# KiCad board k30-SBC.kicad_pcb (continued)
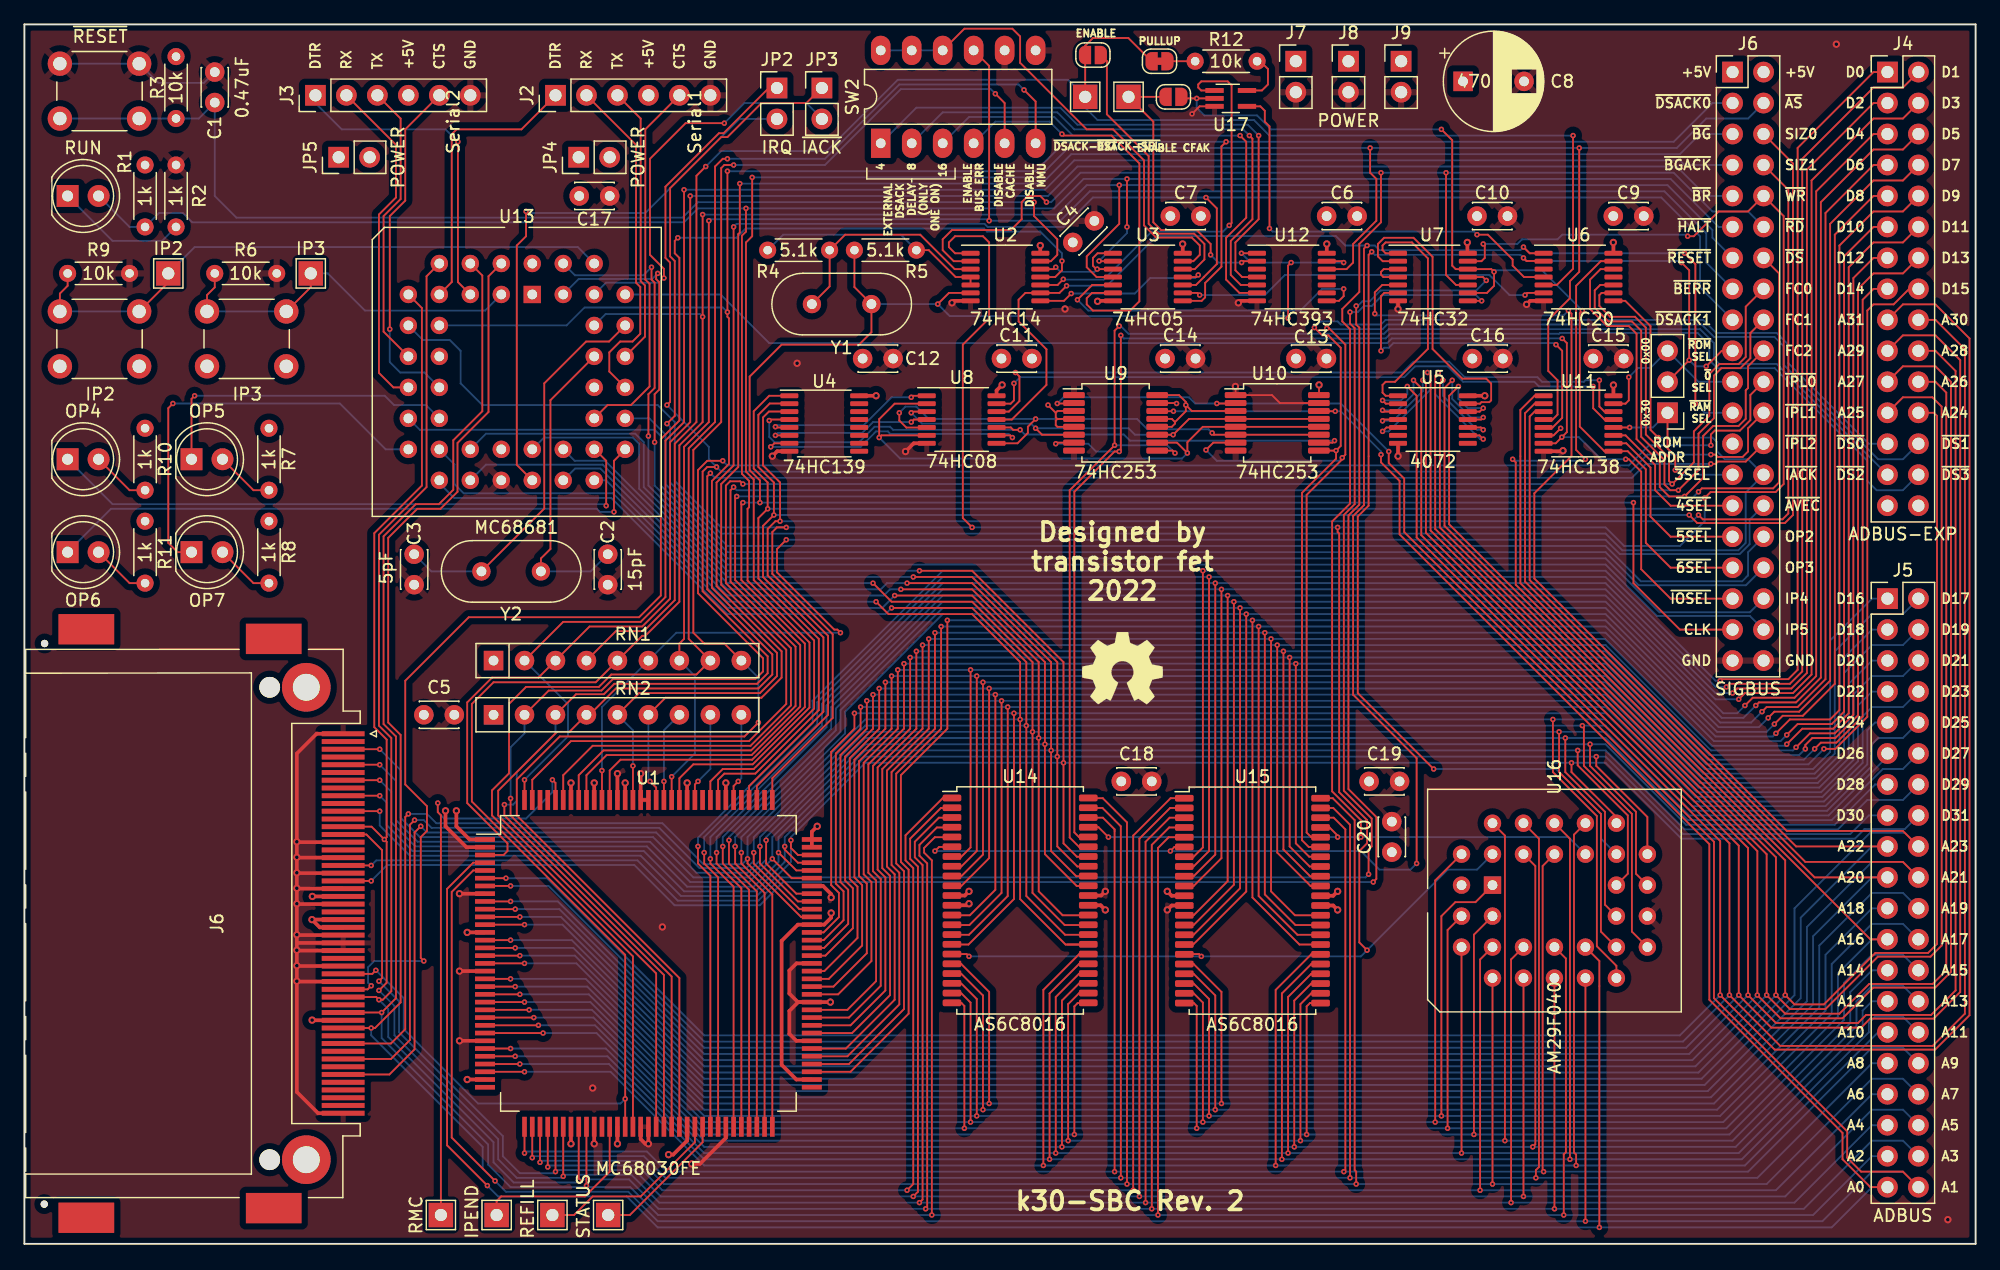
[diagram p0: board, top side]
## Nets (continued)
Net-(U10-Pad10): U4.4 U8.10 U10.10
Net-(U10-Pad11): U8.5 U8.8 U10.6 U10.11
Net-(U10-Pad12): U8.2 U8.6 U9.10 U10.5 U10.12
Net-(U10-Pad13): U8.3 U9.6 U9.11 U10.4 U10.13
Net-(U11-Pad5): U7.6 U11.5
Net-(U11-Pad13): U8.13 U11.13
Net-(U11-Pad14): U8.12 U11.14
Net-(U12-Pad8): U3.5 U12.8
Net-(U17-Pad1): U2.10 U17.1

Pads without a net: J1 24 25 26 27 28 29 30 31 33 37 40 43 45 46 47 48 49; J4 29 30; J6 25; U1 33 44 67 101 104 109 129 130; U4 9 10 11 12 13 14 15; U5 6 8; U6 3 11; U12 3 9 10 11; U13 1 12 23 34

## Via types
v1: diameter 0.6, hole 0.3, Top to Bottom, 70 vias
v2: diameter 0.45, hole 0.2, Top to Bottom, 427 vias

## Routing (per net, layer and track width the routed paths; a pad name or vN(x,y) marks a point on that pad's centre or on a via; arc(x,y) is an arc through that point)
+5V: length 805.4
  Top w0.15: R12.1 101.34,96.98 101.97,96.34 101.97,95.07 101.48,94.58 U17.5 ; v2(95.24,68.78) 95.72,68.3 U10.3 ; v2(95.24,68.78) 95.24,68.28 94.35,67.39 ; v2(95.24,68.78) 95.24,69.04 94.68,69.6 U9.16 ; 94.35,67.39 94.09,67.65 U9.13 ; 94.35,67.39 94.35,67.26 94.09,67 U9.12 ; 94.99,81.98 v1(94.97,81.99) ; v2(83.94,68.78) 84.57,68.15 ; 84.57,68.15 84.72,68.3 U9.3 ; 84.57,68.15 84.57,67.77 84.69,67.65 84.82,67.65 ; v1(106.16,70.44) 106.16,69.62 U10.16 ; 84.82,67.65 U9.4 ; 84.82,67.65 84.71,67.65 84.57,67.52 84.57,67.13 84.71,67 U9.5 ; v2(125.97,66.88) 125.39,66.3 124.58,66.3
  Top w0.3: U15.33 107.32,27.75 v1(107.69,27.38) ; 87.24,27.76 88.25,27.76 v1(88.64,27.38) ; v1(77.46,28.91) 77.11,28.56 U14.11 ; U15.11 94.08,28.55 v1(93.72,28.91) ; J1.44 23.61,18.33 ; J1.13 v1(23.58,26.59) 24.22,25.95 J1.38 ; J1.36 v1(23.61,28.49) ; U3.14 94.99,81.98 ; v1(83.3,81.87) 83.3,81.24 U2.14 ; U1.1 36.5,33.16 35.42,34.24 v1(35.42,35.51) ; U8.14 79.72,69.98 v1(80.17,70.44) ; v1(52.82,7.32) 53.2,7.32 54.34,8.46 U1.55 ; U1.119 v1(49.27,37.8) ; v1(130.29,82.12) 130.3,82.11 130.3,81.23 ; v1(66.16,27.13) 66.16,26.75 65.58,26.17 U1.88 63.42,26.17 62.09,24.84 62.09,14.68 63.3,13.47 U1.68 ; U1.13 v1(36.31,25.54) ; U1.98 U1.99 64.57,33.8 v1(65.01,34.24) ; U1.123 v1(46.72,37.8) ; U1.46 v1(48.63,8.21) ; 130.3,69.55 v1(130.3,70.43) ; U12.14 106.79,81.99 v1(106.8,81.99) ; U4.16 v1(69.84,69.55) ; U1.111 v1(54.34,37.8) ; v1(118.32,82.12) 118.33,82.11 118.33,81.23 ; U1.32 v1(36.31,13.47) ; U5.14 v1(119.75,69.55)
  In1.Cu w0.15: v2(125.97,66.88) 122.42,66.88 v1(119.75,69.55) ; v1(80.17,70.44) 80.68,69.93 82.03,69.93 83.17,68.78 v2(83.94,68.78)
  In1.Cu w0.3: v1(88.64,27.38) 91.05,27.38 92.57,28.91 v1(93.72,28.91) 100.06,28.91 101.59,27.38 v1(107.69,27.38) ; v1(88.64,27.38) 82.41,27.38 80.89,28.91 v1(77.46,28.91) ; v1(88.64,27.38) 89.94,28.69 C18.1 ; 23.61,18.33 v1(23.59,18.35) 23.36,18.58 23.36,26.37 v1(23.58,26.59) 23.36,26.81 23.36,28.24 v1(23.61,28.49) 23.61,38.05 28.94,43.39 C5.1 32.75,41.23 35.42,38.56 v1(35.42,35.51) ; R11.2 11.29,60.66 11.29,65.48 R10.2 9.41,67.36 SW3.2 ; R8.2 21.45,60.66 21.45,65.48 R7.2 21.48,68.3 SW4.2 SW4.2 SW3.2 ; SW3.2 SW3.2 ; C13.1 105.54,73.86 108.83,73.86 110.1,72.59 C16.1 ; C13.1 104.27,72.33 v1(106.16,70.44) ; C13.1 102.6,72.59 101.34,73.86 94.81,73.86 C14.1 92.27,73.86 81.39,73.86 C11.1 ; 108.18,82.88 C6.1 ; C6.1 98.54,84.28 97.14,82.88 95.37,82.88 C7.1 ; C6.1 106.78,82 v1(106.8,81.99) ; 120.13,71.2 127.24,71.2 C15.1 130.3,70.93 v1(130.3,70.43) ; 120.13,71.2 120.13,69.93 v1(119.75,69.55) ; 120.13,71.2 C16.1 ; 120.13,71.2 C16.1 ; v1(118.32,82.12) 118.32,83.05 117.08,84.28 114.25,84.28 112.85,82.88 108.19,82.88 ; R3.1 12.44,95.58 11.04,94.19 11.04,89.61 R1.2 12.05,86.31 22.98,86.31 JP5.1 ; C10.1 120.38,83.01 124.83,83.01 126.1,84.28 C9.1 v1(130.29,82.12) ; C7.1 93.97,83.01 94.97,82 v1(94.97,81.99) ; C7.1 91.82,82.13 83.56,82.13 v1(83.3,81.87) ; v1(35.42,35.51) 35.08,35.16 35.08,30.52 36.31,29.29 v1(36.31,25.54) v1(36.31,13.47) 38.28,11.51 45.33,11.51 v1(48.63,8.21) 49.52,7.32 v1(52.82,7.32) ; v1(35.42,35.51) 38.49,38.58 45.95,38.58 v1(46.72,37.8) v1(49.27,37.8) 50.15,36.91 53.46,36.91 v1(54.34,37.8) 57.9,34.24 v1(65.01,34.24) 65.01,28.27 v1(66.16,27.13) ; 38.49,43.37 RN2.1 ; C11.1 78.85,73.86 70.01,73.86 C12.1 68.74,70.69 ; C11.1 80.17,72.54 v1(80.17,70.44) ; 68.74,70.65 v1(69.84,69.55)
  In1.Cu w1: RN2.1 36.56,45.29 34.66,45.29 C5.1 ; 68.44,95.58 65.65,98.38 42.66,98.38 40.38,96.09 40.38,93.55 42.41,91.52 44.57,91.52 45.45,90.63 JP4.1 ; 68.44,95.58 70.47,95.58 ; 68.44,95.58 83.94,95.58 86.73,98.38 99.68,98.38 R12.1 J7.1 J8.1 J9.1 112.95,96.92 116.38,96.92 C8.1 ; 32.75,48.34 C5.1 ; C5.1 37.2,47.83 RN1.1 ; C10.1 117.97,85.42 C8.1 ; U13.44 42.79,81.53 42.79,86.31 45.45,88.98 JP4.1 ; 25.77,74.98 22.74,71.96 SW4.2 21.58,71.96 26.02,67.52 26.02,55.2 32.75,48.47 ; JP4.1 42.41,89.1 40.5,87.2 27.67,87.2 JP5.1 25.77,75.01 ; JP4.1 45.5,89.06 C17.1 ; C19.1 110.26,33.99 C20.1 112.13,30.3 113.02,29.42 U16.32 ; C19.1 110.26,38.01 107.69,40.59 92.61,40.59 C18.1 ; C19.1 121.02,48.68 121.02,70.31 C16.1 118.73,73.61 121.53,76.41 121.53,81.7 118.95,84.28 ; J6.2 J6.1 130.04,96.09 128.39,97.74 120.38,97.74 C8.1
GND: length 963
  Top w0.15: U10.15 102.95,68.95 102.3,69.6 U10.1 99.32,70.29 v1(99.3,70.31) ; v2(95.75,92.66) 96.37,93.28 U17.3 ; U9.15 94.44,68.95 v2(94.48,68.91)
  Top w0.3: v1(99.55,77.17) 99.71,77.33 101.07,77.33 ; v1(107.69,28.91) 107.32,28.55 U15.34 ; v1(93.72,27.38) 94.08,27.75 U15.12 ; 87.24,28.56 88.29,28.56 v1(88.64,28.91) ; v1(77.46,27.89) 77.33,27.76 76.06,27.76 ; 22.34,21.41 v1(22.34,21.54) v1(22.34,22.81) v1(22.34,24.08) 22.34,25.22 ; 22.34,21.41 22.34,12.45 24.08,10.71 J1.50 ; 22.34,21.41 22.44,21.51 J1.17 ; J1.16 22.44,22.78 ; 22.34,31.57 v1(22.34,31.7) v1(22.34,32.97) 22.34,40.21 23.96,41.83 J1.1 ; 22.34,31.57 v1(22.34,30.43) v1(22.34,29.16) 22.34,29.03 ; 22.34,31.57 22.44,31.67 J1.9 ; 22.34,29.03 v1(22.34,27.89) 22.34,27.76 ; 22.34,29.03 22.44,29.13 J1.11 ; 22.34,27.76 v1(22.34,25.35) 22.34,25.22 ; 22.34,27.76 22.44,27.86 J1.12 ; 22.34,25.22 22.44,25.32 J1.14 ; J1.15 22.37,24.05 ; J1.39 22.38,24.68 ; J1.10 22.37,30.4 ; J1.8 22.37,32.94 ; U1.93 65.48,29.35 66.16,28.68 v1(66.16,28.4) ; U1.73 63.3,16.65 62.73,17.22 62.73,19.1 63.45,19.83 U1.78 ; v1(123.18,77.04) 123.47,77.33 124.58,77.33 ; 73.99,65.65 72.92,65.65 v1(72.25,64.97) ; 89.26,77.33 88.04,77.33 v1(88,77.29) ; v1(61.33,64.59) 61.73,65 U4.8 ; U1.50 v1(51.17,8.21) 50.92,8.21 50.53,8.59 U1.49 ; v1(34.53,35.51) 34.53,34.24 36.25,32.53 U1.2 ; v1(76.06,77.17) 76.23,77.33 77.59,77.33 ; U1.43 v1(46.72,8.21) ; U1.78 v1(66.09,19.83) ; U1.78 63.43,19.83 62.73,20.53 62.73,22.42 63.31,23 U1.83 ; U1.120 v1(48.63,38.56) ; U1.116 U1.117 v1(50.53,38.56) ; 112.64,65.65 v1(112.64,64.59) ; U1.60 57.52,8.69 55.39,6.56 v1(54.73,6.56) ; U1.126 v1(44.82,37.8) ; U11.8 126.12,65 v1(126.16,65.04) ; U1.106 v1(57.52,37.8) ; 112.64,77.33 v1(112.64,76.66) ; U1.40 v1(44.82,8.21) ; U1.18 v1(35.68,22.36) ; U1.27 v1(35.68,16.65) ; U1.8 v1(35.68,28.72)
  In2.Cu w0.15: C14.2 96.04,70.47 v2(94.48,68.91) ; J7.2 102.48,92.66 v2(95.75,92.66)
  In2.Cu w0.3: v1(77.46,27.89) 81.14,27.89 82.16,28.91 v1(88.64,28.91) ; v1(88.64,28.91) 92.44,32.72 C18.2 ; v1(88.64,28.91) 90.54,28.91 92.06,27.38 v1(93.72,27.38) 100.45,27.38 101.97,28.91 v1(107.69,28.91) ; R6.2 19.29,78.18 10.02,78.18 R9.2 8.62,84.66 R2.1 14.09,90.12 14.09,94.57 C1.2 16.5,96.98 33.77,96.98 J3.6 ; 74.03,74.5 72.12,72.59 C12.2 ; 74.03,74.5 74.67,73.86 81.35,73.86 C11.2 85.28,72.59 86.55,73.86 ; 74.03,74.5 76.06,76.53 v1(76.06,77.17) ; 109.59,84.28 108.19,85.68 103.24,85.68 101.84,84.28 C7.2 96.47,84.57 95.24,85.8 89.65,85.8 C4.2 87.32,83.47 87.32,77.98 v1(88,77.29) ; v1(54.73,6.56) 54.73,7.57 54.09,8.21 v1(51.17,8.21) 50.53,8.21 49.65,9.09 47.61,9.09 v1(46.72,8.21) v1(44.82,8.21) 40.69,8.21 35.68,13.22 v1(35.68,16.65) v1(35.68,22.36) v1(35.68,28.72) 34.53,29.86 v1(34.53,35.51) 34.53,42.62 35.25,43.34 C5.2 ; C16.2 119.5,74.33 108.51,74.33 C13.2 105.5,73.86 97.35,73.86 96.08,72.59 ; C16.2 123.52,74.88 123.52,76.7 v1(123.18,77.04) ; C16.2 123.14,70.69 125.21,70.69 126.74,69.17 126.74,65.61 v1(126.16,65.04) 126.1,64.97 ; C16.2 126.23,72.59 127.5,73.86 129.87,73.86 C15.2 ; 96.33,72.59 96.38,72.59 ; C5.2 33.35,45.29 27.42,45.29 22.34,40.21 v1(22.34,32.97) ; C5.2 35.25,39.87 37.63,37.5 44.52,37.5 v1(44.82,37.8) 45.42,38.4 47.01,38.4 47.15,38.26 48.33,38.26 v1(48.63,38.56) v1(50.53,38.56) 51.17,39.19 56.12,39.19 v1(57.52,37.8) 60.06,35.26 65.9,35.26 66.92,34.24 66.92,29.16 v1(66.16,28.4) 66.92,27.64 66.92,20.65 v1(66.09,19.83) ; v1(61.33,64.59) 61.71,64.21 71.49,64.21 v1(72.25,64.97) 75.43,64.97 75.81,64.59 83.43,64.59 83.81,64.97 ; C2.1 45.8,52.02 33.99,52.02 C3.1 ; v1(99.3,70.31) 98.32,70.31 C14.2 94.77,73.86 86.56,73.86 ; C9.2 131.39,85.68 123.01,85.68 C10.2 120.22,85.68 110.68,85.68 C6.2 ; 83.51,71.8 82.71,72.59
  In2.Cu w1: U16.16 135.75,29.54 135.75,44.71 138.87,47.83 J6.39 J6.40 145.28,50.5 145.28,96.34 143.25,98.38 126.02,98.38 C8.2 ; C8.2 120.81,93.17 116.45,93.17 115.18,94.44 J9.2 J8.2 J7.2 100.95,94.44 97.02,98.38 83.43,98.38 SW2.7 SW2.8 80.38,96.6 79.36,95.58 68.44,95.58 66.54,97.49 59.55,97.49 J2.6 ; C8.2 122.97,85.64 C10.2 121.53,84.19 121.53,76.15 121.23,75.86 C16.2 121.02,72.38 121.02,46.18 C19.2 ; J2.6 53.46,96.98 39.36,96.98 J3.6 36.56,93.3 28.56,85.3 28.56,57.45 C3.1 ; J2.6 56.25,93.04 55.11,91.9 53.96,91.9 C17.2 48.03,85.97 ; C19.2 110.1,40.59 95.11,40.59 C18.2 ; C19.2 112.76,35.26 C20.2 ; C5.2 35.17,43.47 35.17,48.08 31.96,51.29 C3.1 ; U13.22 39.11,61.2 C3.1
  Bottom w0.15: SW1.1 SW1.1 10.99,95.2 14.72,95.2 C1.2
  vias: v1(46.6,12.78) v1(52.31,25.99) v1(63.36,72.21) v1(85.33,76.66) v1(148.58,98.38) v1(157.72,1.98)
A0: length 270.2
  Top w0.15: U16.12 129.15,23.19 v2(129.15,1.35) ; v2(107.49,68.28) 106.17,68.28 U10.14 ; v2(111.24,64.72) 111.24,64.09 112.76,62.56 112.76,58.18 138.16,32.78 138.16,20.02 149.09,9.09 149.09,6.94 151.37,4.65 J5.39 ; v2(37.96,4.78) 34.66,8.08 34.66,29.11 36.8,31.25 U1.4 ; U9.14 92.91,68.28 v2(94.22,68.28)
  Bottom w0.15: v2(94.22,68.28) v2(107.49,68.28) 107.94,68.28 111.24,64.97 v2(111.24,64.72) ; J5.39 151.5,4.65 148.2,1.35 51.93,1.35 49.39,3.89 38.85,3.89 v2(37.96,4.78)
A1: length 369.7
  Top w0.15: U16.11 v2(128,1.86) ; J1.20 v2(28.44,17.7) 28.76,17.7 30.85,19.79 30.85,41.73 29.83,42.75 29.83,57.89 32.22,60.28 34.12,60.28 35.52,61.67 35.52,65.68 38.06,68.22 38.06,79.34 U13.2 ; U1.5 36.8,30.62 35.04,28.86 35.04,8.71 v2(38.6,5.16) ; v2(84.7,68.91) 86.03,68.91 U9.2 ; v2(97.78,68.91) 99.28,68.91 U10.2 ; J5.40 154.04,5.92 150.61,5.92 149.47,7.06 149.47,9.22 138.55,20.14 138.55,32.97 113.15,58.37 113.15,62.75 111.88,64.02 v2(111.88,64.97)
  Bottom w0.15: v2(84.7,68.91) 85.21,69.42 95.49,69.42 96,68.91 v2(97.78,68.91) 107.94,68.91 v2(111.88,64.97) ; v2(28.44,17.7) 28.44,17.1 37.58,7.95 37.58,6.17 v2(38.6,5.16) 39.49,4.27 49.52,4.27 51.93,1.86 147.44,1.86 151.5,5.92 154.04,5.92 J5.40
A2: length 297.9
  Top w0.15: U16.10 126.4,23.4 126.4,7.51 126.23,7.34 v2(126.23,2.36) ; v2(92.95,2.36) 92.95,32.46 93.84,33.34 U15.5 ; J1.19 v2(29.3,18.97) 30.47,20.14 30.47,41.61 29.45,42.62 29.45,58.02 32.09,60.66 33.99,60.66 35.17,61.83 35.17,65.9 37.55,68.28 37.55,79.41 U13.4 ; U1.42 v2(46.09,4.78) ; 76.06,33.34 74.66,33.34 73.78,32.46 73.78,32.08 74.41,31.45 v2(74.41,2.36)
  Bottom w0.15: J5.37 151.5,7.19 146.67,2.36 51.96,2.36 49.68,4.65 46.22,4.65 v2(46.09,4.78) 45.96,4.65 39.87,4.65 38.03,6.49 38.03,8.14 29.3,16.87 v2(29.3,18.97)
A3: length 295.1
  Top w0.15: U16.9 v2(125.47,2.87) ; v2(92.44,2.87) 92.44,32.72 93.87,34.14 U15.4 ; J1.18 28.85,20.24 v2(29.07,20.02) 29.39,20.02 30.09,20.71 30.09,41.48 29.07,42.5 29.07,58.15 32.98,62.05 32.98,79.34 U13.6 ; 76.06,34.14 74.82,34.14 73.39,32.72 73.39,31.83 74.03,31.19 74.03,3 v2(73.9,2.87) ; U1.41 v2(45.45,5.16)
  Bottom w0.15: v2(29.07,20.02) 29.83,19.25 29.83,16.97 38.47,8.33 38.47,6.68 40.12,5.03 45.33,5.03 45.58,5.28 49.58,5.28 52,2.87 145.91,2.87 151.5,8.46 154.04,8.46 J5.38
A4: length 292.8
  Top w0.15: U16.8 121.91,23.32 v2(121.91,3.38) ; U15.3 93.91,34.94 91.94,32.97 v2(91.94,3.38) ; J1.7 28.47,34.21 v2(29.52,33.16) ; v2(29.52,33.16) 29.71,33.35 29.71,41.35 28.69,42.37 28.69,58.28 32.6,62.18 32.6,76.74 U13.7 ; v2(29.52,33.16) 29.71,32.97 29.71,21.41 v2(29.07,20.78) ; 76.06,34.94 74.99,34.94 73.01,32.97 73.01,31.7 73.65,31.07 73.65,3.63 v2(73.39,3.38) ; U1.39 v2(44.19,5.54)
  Bottom w0.15: J5.35 151.5,9.73 145.15,3.38 52.06,3.38 49.77,5.67 44.31,5.67 44.06,5.41 40.38,5.41 38.85,6.94 38.85,8.59 30.34,17.1 30.34,19.51 v2(29.07,20.78)
A5: length 244.1
  Top w0.15: U16.7 v2(122.93,3.89) ; v2(91.43,3.89) 91.43,33.22 93.95,35.75 U15.2 ; v2(29.07,21.54) 29.33,21.8 29.33,32.29 28.04,33.57 J1.32 ; 76.06,35.75 75.15,35.75 72.63,33.22 72.63,31.57 73.27,30.94 73.27,4.27 v2(72.89,3.89) ; U1.38 v2(43.55,5.92)
  Bottom w0.15: J5.36 154.04,11 151.5,11 144.39,3.89 52.19,3.89 50.03,6.05 43.68,6.05 43.42,5.79 40.63,5.79 39.23,7.19 39.23,8.84 30.72,17.35 30.72,19.89 v2(29.07,21.54)
A6: length 206.9
  Top w0.15: U16.6 119.37,23.32 v2(119.37,4.4) ; U15.1 93.99,36.55 90.92,33.48 v2(90.92,4.4) ; v2(72.38,4.4) 72.89,4.9 72.89,30.81 72.25,31.45 72.25,33.5 75.3,36.55 76.06,36.55 ; U1.37 v2(42.92,6.3)
  Bottom w0.15: v2(42.92,6.3) 43.04,6.43 50.28,6.43 52.31,4.4 143.63,4.4 151.5,12.27 J5.33
A7: length 204.9
  Top w0.15: 87.24,36.55 88.43,36.55 90.41,34.56 v2(90.41,4.9) ; U16.5 v2(120.38,4.9) ; v2(109.21,4.9) 109.21,5.92 109.08,6.05 109.08,34.75 107.29,36.55 U15.44 ; U1.36 v2(42.28,6.68)
  Bottom w0.15: v2(42.28,6.68) 42.41,6.81 50.53,6.81 52.44,4.9 142.86,4.9 151.5,13.54 154.04,13.54 J5.34
A8: length 212.1
  Top w0.15: 87.24,35.75 88.4,35.75 89.91,34.24 v2(89.91,5.41) ; U16.27 124.19,33.22 124.19,6.3 123.94,6.05 v2(123.94,5.41) ; v2(108.7,5.41) 108.7,34.37 107.32,35.75 U15.43 ; U1.35 v2(41.64,7.06)
  Bottom w0.15: J5.31 151.5,14.81 142.1,5.41 52.57,5.41 50.79,7.19 41.77,7.19 v2(41.64,7.06)
A9: length 209.6
  Top w0.15: 87.24,34.94 88.44,34.94 89.4,33.99 v2(89.4,5.92) ; v2(124.58,5.92) 124.5,6 124.5,30.98 U16.26 ; U1.34 v2(41.01,7.44) ; v2(108.19,5.92) 108.32,6.05 108.32,33.99 107.36,34.94 U15.42
  Bottom w0.15: v2(41.01,7.44) 41.14,7.57 51.04,7.57 52.69,5.92 141.34,5.92 151.5,16.08 154.04,16.08 J5.32
A10: length 189.8
  Top w0.15: U1.31 v2(41.01,14.11) ; v2(102.6,6.43) 102.6,20.83 105.53,23.75 U15.28 ; U16.23 127.07,33.56 127.07,7.49 127.24,7.32 v2(127.24,6.43) ; v2(83.56,6.43) 83.56,20.83 86.47,23.75 87.24,23.75
  Bottom w0.15: J5.29 152.01,17.35 141.09,6.43 55.74,6.43 48.06,14.11 v2(41.01,14.11)
A11: length 190.2
  Top w0.15: U1.30 v2(40.63,14.75) ; v2(103.11,6.94) 103.11,20.53 105.53,22.94 U15.27 ; U16.25 126.74,33.22 v2(126.74,6.94) ; 87.24,22.94 86.47,22.94 84.06,20.53 v2(84.06,6.94)
  Bottom w0.15: J5.30 154.04,18.62 151.75,18.62 151.25,18.11 151.25,17.35 140.83,6.94 55.74,6.94 47.93,14.75 v2(40.63,14.75)
A12: length 173.7
  Top w0.15: U1.29 v2(40.25,15.38) ; v2(103.62,7.44) 103.62,20.24 105.53,22.14 U15.26 ; U16.4 v2(117.84,7.44) ; v2(84.57,7.44) 84.57,20.24 86.47,22.14 87.24,22.14
  Bottom w0.15: v2(40.25,15.38) 47.81,15.38 55.74,7.44 140.58,7.44 150.74,17.6 150.74,19.13 151.5,19.89 J5.27
A13: length 182
  Top w0.15: U1.28 39.87,16.02 ; U15.25 105.53,21.34 104.13,19.95 v2(104.13,7.95) ; 87.24,21.34 86.47,21.34 85.08,19.95 v2(85.08,7.95) ; U16.28 123.9,30.98 123.9,8.16 v2(123.69,7.95)
  Bottom w0.15: v2(39.87,16.02) 47.68,16.02 55.74,7.95 140.32,7.95 150.23,17.86 150.23,19.89 151.5,21.16 154.04,21.16 J5.28
A14: length 178.8
  Top w0.15: U15.24 105.53,20.55 104.64,19.66 v2(104.64,8.46) ; U16.29 121.4,33.48 v2(121.4,8.46) ; v2(85.59,8.46) 85.59,19.66 86.47,20.55 87.24,20.55 ; U1.26 v2(42.53,17.28)
  Bottom w0.15: J5.25 151.5,22.43 149.72,20.65 149.72,18.11 140.07,8.46 55.74,8.46 46.92,17.28 v2(42.53,17.28)
A15: length 171.7
  Top w0.15: U15.23 105.42,19.75 105.15,19.47 v2(105.15,8.97) ; U16.3 118.86,25.35 v2(118.86,8.97) ; v2(86.09,8.97) 86.09,19.47 86.37,19.75 87.24,19.75 ; U1.25 v2(42.15,17.92)
  Bottom w0.15: v2(42.15,17.92) 46.79,17.92 55.74,8.97 139.82,8.97 149.21,18.37 149.21,21.41 151.5,23.7 154.04,23.7 J5.26
A16: length 244.9
  Top w0.15: U15.22 95.89,19.75 96.13,19.51 v2(96.13,9.48) ; U16.2 116.7,25.73 v2(116.7,9.48) ; 76.06,19.75 76.84,19.75 77.08,19.51 v2(77.08,9.48) ; v2(128,64.34) 127.24,65.1 127.24,78.56 129.26,80.58 130.3,80.58 ; v2(122.04,64.34) 122.29,64.09 122.29,54.05 151.37,24.97 J5.23 ; U1.24 v2(41.77,18.56)
  Bottom w0.15: v2(128,64.34) 127.88,64.21 122.16,64.21 v2(122.04,64.34) ; v2(41.77,18.56) 46.66,18.56 55.74,9.48 139.56,9.48 148.71,18.62 148.71,22.18 151.5,24.97 J5.23
A17: length 177.1
  Top w0.15: v2(96.64,9.98) 96.64,19.78 95.88,20.55 U15.21 ; U16.30 115.69,29.8 v2(115.69,9.98) ; 76.06,20.55 76.83,20.55 77.59,19.78 v2(77.59,9.98) ; U1.23 v2(41.39,19.19)
  Bottom w0.15: J5.24 154.04,26.24 151.5,26.24 148.2,22.94 148.2,18.87 139.31,9.98 55.74,9.98 46.53,19.19 41.39,19.19
A18: length 174.5
  Top w0.15: U1.22 v2(41.01,19.83) ; v2(97.14,10.49) 97.14,20.08 95.88,21.34 U15.20 ; U16.1 118.99,28.02 117.34,28.02 116.19,26.88 v2(116.19,10.49) ; v2(78.09,10.49) 78.09,20.08 76.83,21.34 76.06,21.34
  Bottom w0.15: v2(41.01,19.83) 46.41,19.83 55.74,10.49 139.05,10.49 147.69,19.13 147.69,23.7 151.5,27.51 J5.21
A19: length 157.6
  Top w0.15: U1.21 v2(40.63,20.46) ; v2(97.65,11) 97.65,20.37 95.88,22.14 U15.19 ; 76.06,22.14 76.83,22.14 78.6,20.37 v2(78.6,11)
  Bottom w0.15: v2(40.63,20.46) 46.28,20.46 55.74,11 138.8,11 147.18,19.38 147.18,24.46 151.5,28.78 154.04,28.78 J5.22
A20: length 212.9
  Top w0.15: U1.20 v2(40.25,21.09) ; v2(98.16,11.51) 98.16,20.66 95.88,22.94 U15.18 ; 76.06,22.94 76.83,22.94 79.11,20.66 v2(79.11,11.51) ; U11.1 123.84,69.55 122.67,68.38 122.67,54.18 146.8,30.05 J5.19
  Bottom w0.15: v2(40.25,21.09) 46.16,21.09 55.74,11.51 138.55,11.51 146.67,19.64 146.67,25.22 151.5,30.05 J5.19
A21: length 191.6
  Top w0.15: U1.19 39.87,21.73 ; U11.2 123.84,68.9 123.05,68.11 123.05,54.31 146.04,31.32 154.04,31.32 J5.20
  Bottom w0.15: J5.20 154.04,31.32 151.5,31.32 146.17,25.99 146.17,19.89 138.29,12.02 55.74,12.02 46.03,21.73 v2(39.87,21.73)
A22: length 184.6
  Top w0.15: U1.17 v2(41.01,23) ; J5.17 145.28,32.59 123.43,54.43 123.43,67.84 123.84,68.25 U11.3
  Bottom w0.15: J5.17 151.5,32.59 145.66,26.75 145.66,20.14 138.04,12.52 55.74,12.52 45.27,23 v2(41.01,23)
A23: length 219.1
  Top w0.15: U1.16 v2(40.63,23.64) ; v2(126.61,76.53) 126.86,76.28 126.86,64.59 123.81,61.55 123.81,54.56 144.51,33.86 154.04,33.86 J5.18 ; v2(110.73,76.28) 110.73,78.02 111.34,78.63 U7.5
  Bottom w0.15: v2(110.73,76.28) 110.88,76.13 126.21,76.13 v2(126.61,76.53) ; J5.18 154.19,33.71 151.35,33.71 145.15,27.51 145.15,20.4 137.78,13.03 55.74,13.03 45.14,23.64 v2(40.63,23.64)
A24: length 240
  Top w0.15: U1.15 v2(40.25,24.27) ; U5.12 119.34,68.25 v2(119.62,68.53) ; v2(117.59,70.31) 116.83,69.55 116.83,59.01 144.39,31.45 v2(144.39,20.4) 145.15,19.64 147.56,19.64 151.78,23.85 156.1,23.85 156.83,24.59 156.83,67.9 156.58,68.15 J4.24
  Bottom w0.15: v2(117.59,70.31) 117.59,69.29 118.35,68.53 v2(119.62,68.53) ; v2(144.39,20.4) 137.53,13.54 55.74,13.54 45.01,24.27 v2(40.25,24.27)
A25: length 246.7
  Top w0.15: U1.14 39.87,24.91 ; v2(119.62,67.77) 119.45,67.6 U5.11 ; v2(117.08,70.82) 116.45,70.18 116.45,58.88 143.63,31.7 v2(143.63,20.4) 144.77,19.25 147.69,19.25 151.98,23.55 156.3,23.55 157.22,24.46 157.22,68.66 156.45,69.42 154.04,69.42 J4.23
  Bottom w0.15: v2(117.08,70.82) 117.08,69.29 118.61,67.77 v2(119.62,67.77) ; v2(143.63,20.4) 137.28,14.05 55.74,14.05 44.88,24.91 v2(39.87,24.91)
A26: length 247.9
  Top w0.15: J4.22 156.71,70.69 157.6,69.8 157.6,22.43 156.48,21.31 151.27,21.31 148.83,18.87 144.39,18.87 v2(142.86,20.4) 142.86,31.95 116.07,58.75 116.07,70.56 v2(116.32,70.82) ; U1.12 v2(41.01,26.17) ; 118.36,66.95 119.43,66.95 v2(119.62,66.75)
  Bottom w0.15: v2(116.32,70.82) 116.32,69.55 119.12,66.75 v2(119.62,66.75) ; v2(41.01,26.17) 44.12,26.17 55.74,14.56 137.02,14.56 v2(142.86,20.4)
A27: length 255.1
  Top w0.15: U1.11 v2(40.63,26.81) ; J4.21 154.04,71.96 156.71,71.96 157.98,70.69 157.98,22.3 156.68,21.01 151.6,21.01 149.09,18.49 144.01,18.49 v2(142.1,20.4) 142.1,32.21 115.69,58.62 115.69,71.2 v2(115.94,71.45) ; U5.9 119.32,66.3 v2(119.62,65.99)
  Bottom w0.15: v2(119.62,65.99) 119.37,65.99 115.69,69.67 115.69,71.2 v2(115.94,71.45) ; v2(142.1,20.4) 136.77,15.06 55.74,15.06 44,26.81 v2(40.63,26.81)
A28: length 254.3
  Top w0.15: v2(111.37,66.63) 111.69,66.95 112.64,66.95 ; U1.10 40.25,27.44 ; J4.20 156.71,73.23 158.36,71.58 158.36,20.78 156.35,18.77 151.02,18.77 150.36,18.11 143.63,18.11 v2(141.34,20.4) 141.34,32.46 115.31,58.5 115.31,71.2 v2(115.05,71.45)
  Bottom w0.15: v2(111.37,66.63) 111.88,66.63 115.31,70.06 115.31,71.2 v2(115.05,71.45) ; v2(40.25,27.45) 43.87,27.45 55.74,15.57 136.51,15.57 v2(141.34,20.4)
A29: length 256.9
  Top w0.15: v2(111.37,67.49) 111.48,67.6 U5.4 ; v2(114.67,70.82) 114.92,70.56 114.92,58.31 140.58,32.65 v2(140.58,20.4) 143.25,17.73 150.61,17.73 151.35,18.47 156.55,18.47 158.74,20.65 158.74,72.47 156.71,74.5 154.04,74.5 J4.19 ; U1.9 39.87,28.08
  Bottom w0.15: v2(114.67,70.82) 114.67,69.93 112.23,67.49 v2(111.37,67.49) ; v2(140.58,20.4) 136.26,16.08 55.74,16.08 43.74,28.08 v2(39.87,28.08)
A30: length 257
  Top w0.15: v2(111.37,68.35) 111.47,68.25 U5.3 ; v2(113.91,70.82) 114.54,70.18 114.54,58.12 139.82,32.84 v2(139.82,20.4) 143.98,16.23 156.48,16.23 159.12,18.87 159.12,73.36 156.71,75.77 J4.18 ; U1.7 v2(39.87,29.35)
  Bottom w0.15: v2(111.37,68.35) 112.59,68.35 113.91,69.67 v2(113.91,70.82) ; v2(39.87,29.35) 42.98,29.35 55.74,16.59 136.01,16.59 v2(139.82,20.4)
A31: length 260.2
  Top w0.15: U5.2 111.64,68.9 v2(111.37,69.17) ; J4.17 154.04,77.04 156.71,77.04 159.5,74.25 159.5,18.75 156.68,15.93 143.52,15.93 v2(139.05,20.4) 139.05,33.03 114.16,57.93 114.16,69.55 v2(113.4,70.31) ; U1.6 v2(39.49,29.98)
  Bottom w0.15: v2(139.05,20.4) 135.75,17.1 55.74,17.1 42.85,29.98 v2(39.49,29.98) ; v2(111.37,69.17) 112.89,69.17 113.4,69.67 v2(113.4,70.31)
ATA-READY: length 123
  Top w0.15: U2.11 84.53,79.28 85.08,79.83 v2(85.08,80.6) ; v2(32.75,23.19) 32.5,23.45 32.5,33.35 33.01,33.86 33.01,35.89 31.23,37.67 31.23,46.18 36.44,51.39 50.41,51.39 52.19,53.16 52.19,65.99 53.71,67.52 53.71,80.85 53.33,81.23 53.33,82.25 v2(53.58,82.5) ; J1.42 28.15,20.87 v2(28.44,21.16)
  Bottom w0.15: v2(28.44,21.16) 28.18,21.41 28.18,22.68 28.69,23.19 v2(32.75,23.19) ; v2(85.08,80.6) 85.08,81.23 83.3,83.01 78.94,83.01 78.68,83.26 59.15,83.26 58.39,82.5 v2(53.58,82.5)
CLK: length 212.2
  Top w0.15: v2(108.18,80.47) 108.07,80.58 U12.13 ; R5.1 68.06,78.46 Y1.2 69.46,74.75 68.44,73.74 62.09,73.74 59.47,71.12 59.47,63.45 60.31,62.61 v2(60.31,60.78) ; J6.37 135.75,50.37 131.94,54.18 v2(131.94,60.78) ; v2(103.62,75.9) 103.62,80.22 v2(103.88,80.47) ; U2.6 75.81,77.98 v2(74.89,77.06) ; U12.1 v2(99.8,81.23) ; U1.121 48,38.81 48.88,39.7 59.68,39.7 64,44.02 64,49.23 58.79,54.43 58.79,60.66 v2(58.92,60.78)
  Bottom w0.15: v2(103.62,75.9) 103.44,76.08 75.88,76.08 v2(74.89,77.06) Y1.2 ; v2(99.8,81.23) 100.56,80.47 v2(108.18,80.47) ; v2(58.92,60.78) v2(60.31,60.78) v2(131.94,60.78)
D0: length 205.8
  Top w0.15: U15.7 95.88,31.75 96.64,32.51 v2(96.64,55.2) ; U1.58 56.25,30.18 55.23,31.19 v2(55.23,32.59) ; v2(139.05,46.18) 139.18,46.31 144.64,46.31 145.4,47.07 145.4,89.87 151.63,96.09 J4.1
  Bottom w0.15: v2(55.23,32.59) 55.23,33.3 64.63,42.7 64.63,44.53 75.3,55.2 129.66,55.2 138.67,46.18 v2(139.05,46.18)
D1: length 207.9
  Top w0.15: U15.8 95.88,30.94 97.14,32.21 v2(97.14,54.69) ; v2(55.74,32.08) 55.74,31.19 56.89,30.05 U1.59 ; v2(139.56,45.67) 139.82,45.92 144.77,45.92 145.78,46.94 145.78,88.98 151.63,94.82 154.04,94.82 J4.2
  Bottom w0.15: v2(139.56,45.67) 138.67,45.67 129.66,54.69 75.3,54.69 65.01,44.4 65.01,42.62 55.74,33.35 v2(55.74,32.08)
D2: length 204.2
  Top w0.15: U15.9 95.88,30.14 97.65,31.92 v2(97.65,54.18) ; v2(56.25,31.57) 56.25,31.19 58.16,29.29 U1.61 ; v2(140.07,45.16) 140.45,45.54 144.9,45.54 146.17,46.81 146.17,88.09 151.63,93.55 J4.3
  Bottom w0.15: v2(56.25,31.57) 56.25,33.35 65.39,42.5 65.39,44.27 75.3,54.18 129.66,54.18 138.67,45.16 v2(140.07,45.16)
D3: length 206.4
  Top w0.15: U15.10 95.88,29.34 98.16,31.63 v2(98.16,53.67) ; J4.4 154.04,92.28 151.63,92.28 146.55,87.2 146.55,46.69 145.02,45.16 141.09,45.16 v2(140.58,44.66) ; U1.62 58.79,29.16 56.76,31.19 v2(56.76,32.08)
  Bottom w0.15: v2(56.76,32.08) 56.76,33.35 65.78,42.37 65.78,44.15 75.3,53.67 129.66,53.67 138.67,44.66 v2(140.58,44.66)
D4: length 204.5
  Top w0.15: U15.13 95.88,26.94 98.67,29.74 v2(98.67,53.16) ; v2(57.27,32.59) 57.27,31.19 59.42,29.03 U1.63 ; v2(141.09,44.15) 141.72,44.78 145.15,44.78 146.93,46.56 146.93,86.31 151.63,91.01 J4.5
  Bottom w0.15: v2(57.27,32.59) 57.27,33.35 66.16,42.24 66.16,44.02 75.3,53.16 129.66,53.16 139.31,43.51 140.45,43.51 v2(141.09,44.15)
D5: length 206.5
  Top w0.15: U15.14 95.88,26.14 99.18,29.45 v2(99.18,52.66) ; v2(141.97,44.15) 142.23,44.4 145.28,44.4 147.31,46.43 147.31,85.42 151.63,89.74 154.04,89.74 J4.6 ; U1.64 60.06,28.91 57.77,31.19 v2(57.77,33.1)
  Bottom w0.15: v2(141.97,44.15) 140.96,43.13 139.18,43.13 129.66,52.66 75.3,52.66 66.54,43.89 66.54,42.11 57.77,33.35 v2(57.77,33.1)
D6: length 202.4
  Top w0.15: U15.15 95.88,25.34 99.68,29.15 v2(99.68,52.15) ; v2(142.48,43.64) 142.86,44.02 145.4,44.02 147.69,46.31 147.69,84.53 151.63,88.47 J4.7 ; U1.65 60.69,28.78 58.28,31.19 v2(58.28,32.59)
  Bottom w0.15: v2(58.28,32.59) 58.28,33.35 66.92,41.99 66.92,43.77 75.3,52.15 129.66,52.15 139.05,42.75 141.59,42.75 v2(142.48,43.64)
D7: length 204.4
  Top w0.15: U15.16 95.84,24.55 100.19,28.9 v2(100.19,51.64) ; v2(58.79,32.08) 58.79,31.19 61.33,28.65 U1.66 ; v2(142.99,43.13) 143.5,43.64 145.53,43.64 148.07,46.18 148.07,83.64 151.63,87.2 154.04,87.2 J4.8
  Bottom w0.15: v2(142.99,43.13) 142.23,42.37 138.93,42.37 129.66,51.64 75.3,51.64 67.3,43.64 67.3,41.86 58.79,33.35 v2(58.79,32.08)
D8: length 194.6
  Top w0.15: U15.29 104.55,24.55 100.7,28.4 v2(100.7,51.13) ; U1.69 67.74,14.11 72.51,18.87 72.51,30.69 71.87,31.32 71.87,38.43 75.68,42.24 v2(75.68,51.13) ; v2(143.5,42.62) 144.18,43.3 145.83,43.3 148.45,45.92 148.45,82.75 151.63,85.93 J4.9
  Bottom w0.15: v2(143.5,42.62) 142.86,41.99 138.8,41.99 129.66,51.13 v2(75.68,51.13)
D9: length 195.6
  Top w0.15: U15.30 104.39,25.34 101.21,28.53 v2(101.21,50.62) ; v2(143.63,41.86) 144.77,43 148.07,43 148.83,43.77 148.83,81.87 151.63,84.66 154.04,84.66 J4.10 ; U1.70 67.61,14.75 72.12,19.25 72.12,30.56 71.49,31.19 71.49,38.56 75.17,42.24 v2(75.17,50.62)
  Bottom w0.15: v2(143.63,41.86) 143.37,41.61 138.67,41.61 129.66,50.62 v2(75.17,50.62)
D10: length 189.4
  Top w0.15: U15.31 104.22,26.14 101.72,28.65 v2(101.72,50.12) ; U1.71 67.49,15.38 71.74,19.64 71.74,30.43 71.11,31.07 71.11,38.69 74.67,42.24 v2(74.67,50.12) ; J4.11 151.63,83.39 149.21,80.98 149.21,43.64 148.2,42.62 145.4,42.62 v2(144.51,41.73)
  Bottom w0.15: v2(144.51,41.73) 144.01,41.23 138.55,41.23 129.66,50.12 v2(74.67,50.12)
D11: length 189.1
  Top w0.15: v2(102.22,49.61) 102.22,28.91 104.19,26.94 U15.32 ; v2(144.51,40.97) 145.78,42.24 148.32,42.24 149.59,43.51 149.59,80.09 151.63,82.12 154.04,82.12 J4.12 ; U1.72 67.36,16.02 71.36,20.02 71.36,30.3 70.73,30.94 70.73,38.81 74.16,42.24 v2(74.16,49.61)
  Bottom w0.15: v2(74.16,49.61) 129.61,49.61 138.38,40.84 144.39,40.84 v2(144.51,40.97)
D12: length 180.1
  Top w0.15: U15.35 105.47,29.34 102.73,32.08 v2(102.73,49.1) ; v2(145.28,40.72) 146.42,41.86 148.45,41.86 149.98,43.39 149.98,79.2 151.63,80.85 J4.13 ; v2(73.65,49.1) 73.65,42.24 70.35,38.94 70.35,30.81 70.98,30.18 70.98,20.4 67.87,17.28 U1.74
  Bottom w0.15: v2(145.28,40.72) 145.02,40.46 138.29,40.46 129.66,49.1 v2(73.65,49.1)
D13: length 180.1
  Top w0.15: U15.36 105.43,30.14 103.24,32.34 v2(103.24,48.59) ; U1.75 67.74,17.92 70.6,20.78 70.6,30.05 69.97,30.69 69.97,39.07 73.14,42.24 v2(73.14,48.59) ; J4.14 154.04,79.58 151.63,79.58 150.36,78.31 150.36,43.34 148.5,41.48 146.61,41.48 146.04,40.91 v2(146.04,40.59)
  Bottom w0.15: v2(73.14,48.59) 129.66,48.59 138.16,40.08 145.53,40.08 v2(146.04,40.59)
D14: length 173.5
  Top w0.15: U15.37 105.39,30.94 103.75,32.59 v2(103.75,48.08) ; v2(146.8,40.59) 147.31,41.1 148.58,41.1 150.74,43.26 150.74,77.42 151.63,78.31 J4.15 ; U1.76 67.61,18.56 70.22,21.16 70.22,29.92 69.58,30.56 69.58,39.19 72.63,42.24 v2(72.63,48.08)
  Bottom w0.15: v2(146.8,40.59) 145.91,39.7 138.04,39.7 129.66,48.08 v2(72.63,48.08)
D15: length 173.2
  Top w0.15: U15.38 105.35,31.75 104.26,32.84 v2(104.26,47.58) ; v2(147.56,40.59) 148.5,40.59 151.12,43.21 151.12,76.53 151.63,77.04 153.28,77.04 154.55,78.31 J4.16 ; U1.77 67.49,19.19 69.84,21.54 69.84,29.8 69.2,30.43 69.2,39.32 72.12,42.24 v2(72.12,47.58)
  Bottom w0.15: v2(147.56,40.59) 146.29,39.32 137.91,39.32 129.66,47.58 v2(72.12,47.58)
D16: length 143.4
  Top w0.15: 76.06,31.75 76.83,31.75 77.59,32.51 v2(77.59,47.07) ; v2(71.62,47.07) 71.62,42.24 68.82,39.45 68.82,30.3 69.46,29.67 69.46,23.19 66.73,20.46 U1.79
  Bottom w0.15: v2(71.62,47.07) 129.66,47.07 137.78,38.94 146.67,38.94 148.07,40.34 148.07,49.48 151.5,52.91 J5.1
D17: length 145
  Top w0.15: 76.06,30.94 76.83,30.94 78.09,32.21 v2(78.09,46.56) ; U1.80 66.34,21.09 69.08,23.83 69.08,29.54 68.44,30.18 68.44,39.58 71.11,42.24 v2(71.11,46.56)
  Bottom w0.15: v2(71.11,46.56) 129.66,46.56 137.66,38.56 146.8,38.56 148.45,40.21 148.45,48.59 151.5,51.64 154.04,51.64 J5.2
D18: length 140.5
  Top w0.15: 76.06,30.14 76.83,30.14 78.6,31.92 v2(78.6,46.05) ; U1.81 65.96,21.73 68.7,24.46 68.7,29.42 68.06,30.05 68.06,39.7 70.6,42.24 v2(70.6,46.05)
  Bottom w0.15: J5.3 151.5,50.37 148.83,47.7 148.83,40.08 146.93,38.18 137.53,38.18 129.66,46.05 v2(70.6,46.05)
D19: length 142.2
  Top w0.15: 76.06,29.34 76.83,29.34 79.11,31.63 v2(79.11,45.54) ; v2(70.09,45.54) 70.09,42.24 67.68,39.83 67.68,29.92 68.31,29.29 68.31,25.09 65.59,22.36 U1.82
  Bottom w0.15: v2(70.09,45.54) 129.66,45.54 137.4,37.8 147.06,37.8 149.21,39.96 149.21,46.81 151.5,49.1 154.04,49.1 J5.4
